# Altium PCB choco_keyboard_left.PcbDoc (part 2 of 2)
Units mm, origin at the board's own origin, x right, y up, seen from the top; angles counter-clockwise.
Board outline 148.18 x 100.99 mm, 2 copper layers (Top Layer, Bottom Layer), stack 1.071 mm thick; 108 components, 93 nets, 495 pads, 582 vias.
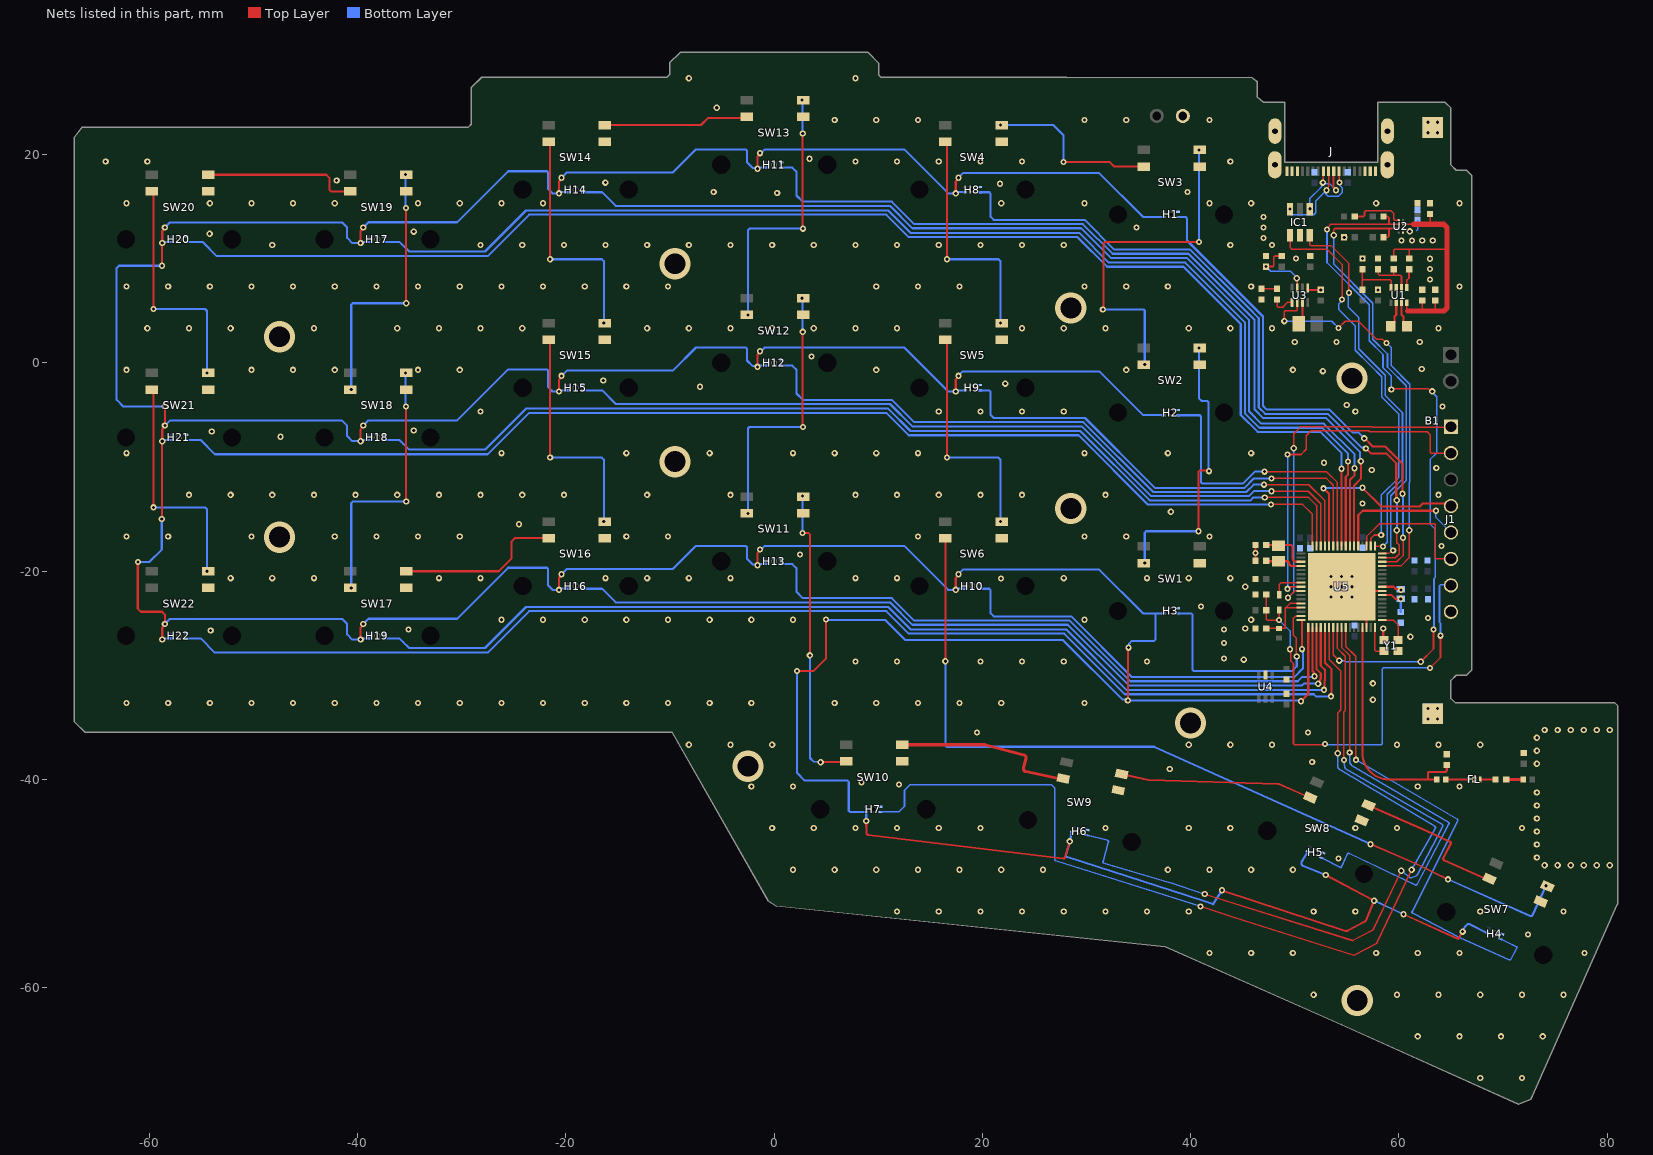
[diagram p2: the nets of this part, all layers, seen from the top]

## Via types
v1: diameter 0.6, hole 0.3, Top Layer to Bottom Layer, tented both sides, 572 vias
v2: diameter 3, hole 2, Top Layer to Bottom Layer, 10 vias

## Nets (pads, with @x,y where several pads share a name; then routed paths per layer and width w, separated by ;. In a path a pad name is that pad's centre, name@x,y a point inside that pad or via, vN(x,y) a via of type N, cw(c..) or ccw(c..) an arc to the next point about the centre after c; other vN are vias at no path point) (continued)
GND: B1.2 C1.1 C2.1 C3.1 C4.2 C5.2 C6.2 C7.1 C8.1 C9.2 C10.1 C11.1 C12.1 C13.1 C14.1 C15.1 C16.1 C17.1 C18.1 C19.1 C20.1 C21.1 C23.2 C24.1 C25.1 C26.2 FL.2 FL.2_1 H1.2 H2.2 H3.2 H4.2 H5.2 H6.2 H7.2 H8.2 H9.2 H10.2 H11.2 H12.2 H13.2 H14.2 H15.2 H16.2 H17.2 H18.2 H19.2 H20.2 H21.2 H22.2 IC1.2 J1.08 J.A1 J.A12 J.B1 J.B12 J.MID1 J.MID2 J.S1 J.S2 J.S3 J.S4 P1.2 R1.2 R2.2 R6.2 R10.1 R11.1 R13.1 R15.1 R17.1 SW1.1 SW2.1 SW3.1 SW4.1 SW5.1 SW6.1 SW7.1 SW8.1 SW9.1 SW10.1 SW11.1 SW12.1 SW13.1 SW14.1 SW15.1 SW16.1 SW17.1 SW18.1 SW19.1 SW20.1 SW21.1 SW22.1 U1.7 U2.D2 U3.1 U4.2 U5.32 U5.42 U5.69 Y1.2 | length 12.5
  Top Layer w0.15: R6.2@54.738,12.05 v1(54.75,12.05)
  Top Layer w0.2: C11.1@46.238,-19 v1(46.238,-18.25) C10.1@46.238,-17.5 ; U3.1@51.25,7.185 51.25,7.015 51.265,7 v1(52.5,7) ; v1(54.5,-21.5) U5.69@54.9,-21.9 ; U5.32@56.9,-25.4 56.9,-23.9 v1(55.5,-22.5) U5.69@54.9,-21.9 ; U5.42@58.4,-21.9 U5.69@54.9,-21.9 ; v1(58.5,-25.5) 58.5,-26.55 Y1.2@58.575,-26.625
  other v1: 67.817,-68.675 71.817,-68.675 61.817,-64.675 65.817,-64.675 69.817,-64.675 73.817,-64.675 51.817,-60.675 59.817,-60.675 63.817,-60.675 67.817,-60.675 71.817,-60.675 75.817,-60.675 41.817,-56.675 45.817,-56.675 49.817,-56.675 57.817,-56.675 61.817,-56.675 65.817,-56.675 77.817,-56.675 72.4,-54.9 11.817,-52.675 15.817,-52.675 19.817,-52.675 23.817,-52.675 27.817,-52.675 31.817,-52.675 35.817,-52.675 39.817,-52.675 51.817,-52.675 55.817,-52.675 67.817,-52.675 75.817,-52.675 1.817,-48.675 5.817,-48.675 9.817,-48.675 13.817,-48.675 17.817,-48.675 21.817,-48.675 25.817,-48.675 37.817,-48.675 41.817,-48.675 45.817,-48.675 49.817,-48.675 74,-48.25 75.25,-48.25 76.5,-48.25 77.75,-48.25 79,-48.25 80.25,-48.25 54.2,-47.6 73.25,-47.5 73.25,-46.25 73.25,-45 -0.183,-44.675 3.817,-44.675 7.817,-44.675 11.817,-44.675 15.817,-44.675 19.817,-44.675 31.817,-44.675 39.817,-44.675 43.817,-44.675 51.817,-44.675 55.817,-44.675 59.817,-44.675 71.817,-44.675 73.25,-43.75 73.25,-42.5 73.25,-41.25 -2.183,-40.675 1.817,-40.675 61.817,-40.675 65.817,-40.675 12,-40.5 8.4,-40.3 38,-39 73.25,-38.5 51.675,-38.325 73.25,-37.25 -8.183,-36.675 -4.183,-36.675 -0.183,-36.675 39.817,-36.675 43.817,-36.675 47.817,-36.675 59.817,-36.675 63.817,-36.675 67.817,-36.675 73.25,-36 19.5,-35.5 51.275,-35.5 74,-35.25 75.25,-35.25 76.5,-35.25 77.75,-35.25 79,-35.25 80.25,-35.25 62.8,-34.2 63.7,-34.2 62.8,-33.2 63.7,-33.2 -62.183,-32.675 -58.183,-32.675 -54.183,-32.675 -50.183,-32.675 -46.183,-32.675 -42.183,-32.675 -38.183,-32.675 -34.183,-32.675 -30.183,-32.675 -26.183,-32.675 -22.183,-32.675 -18.183,-32.675 -14.183,-32.675 -10.183,-32.675 -6.183,-32.675 -2.183,-32.675 5.817,-32.675 9.817,-32.675 13.817,-32.675 17.817,-32.675 21.817,-32.675 29.817,-32.675 57.5,-32.35 57.5,-30.775 7.817,-28.675 11.817,-28.675 19.817,-28.675 23.817,-28.675 27.817,-28.675 35.817,-28.675 45.1,-28.5 43.2,-28.4 43.2,-26.9 61.1,-26.3 -54.1,-25.7 -35.1,-25.6 43.2,-25.6 45.25,-25.5 -26.183,-24.675 -22.183,-24.675 -18.183,-24.675 -14.183,-24.675 -10.183,-24.675 -6.183,-24.675 -2.183,-24.675 1.817,-24.675 29.817,-24.675 45.817,-24.675 62.8,-24.5 41,-23.4 53.5,-22.5 54.5,-22.5 45.25,-21.5 53.5,-21.5 55.5,-21.5 21.8,-20.7 -52.183,-20.675 -48.183,-20.675 -44.183,-20.675 -32.183,-20.675 -28.183,-20.675 -16.183,-20.675 -12.183,-20.675 -8.183,-20.675 -4.183,-20.675 7.817,-20.675 11.817,-20.675 27.817,-20.675 35.817,-20.675 39.817,-20.675 43.817,-20.675 53.5,-20.5 54.5,-20.5 55.5,-20.5 2.5,-18.4 64.1,-17.6 -62.183,-16.675 -58.183,-16.675 -50.183,-16.675 -42.183,-16.675 -38.183,-16.675 -34.183,-16.675 -30.183,-16.675 -14.183,-16.675 -10.183,-16.675 13.817,-16.675 29.817,-16.675 33.817,-16.675 41.817,-16.675 -24.5,-15.5 38.1,-14.3 56.5,-13.5 -56.183,-12.675 -52.183,-12.675 -48.183,-12.675 -44.183,-12.675 -40.183,-12.675 -36.183,-12.675 -32.183,-12.675 -28.183,-12.675 -24.183,-12.675 -20.183,-12.675 -12.183,-12.675 -4.183,-12.675 7.817,-12.675 11.817,-12.675 15.817,-12.675 19.817,-12.675 23.817,-12.675 31.817,-12.675 63.817,-12.675 57.4,-10.3 63.6,-10.1 52.8,-9.6 -62.183,-8.675 -26.183,-8.675 -14.183,-8.675 -6.183,-8.675 1.817,-8.675 5.817,-8.675 9.817,-8.675 13.817,-8.675 29.817,-8.675 37.817,-8.675 45.817,-8.675 -47.4,-7.1 -54,-6.6 -34.6,-6.5 -28.183,-4.675 15.817,-4.675 19.817,-4.675 23.817,-4.675 27.817,-4.675 55.817,-4.675 64.2,-4.2 55,-4.05 -7.1,-2.3 22.2,-2 -16.4,-1.7 52.7,-0.8 -62.183,-0.675 -50.183,-0.675 -46.183,-0.675 -42.183,-0.675 -34.183,-0.675 -30.183,-0.675 9.817,-0.675 33.817,-0.675 49.817,-0.675 62.2,-0.6 3.6,0.6 50,2 54,2 62,2 -60.183,3.325 -56.183,3.325 -52.183,3.325 -44.183,3.325 -36.183,3.325 -32.183,3.325 -28.183,3.325 -24.183,3.325 -12.183,3.325 -8.183,3.325 -4.183,3.325 -0.183,3.325 3.817,3.325 7.817,3.325 11.817,3.325 23.817,3.325 27.817,3.325 31.817,3.325 39.817,3.325 43.817,3.325 47.817,3.325 63.817,3.325 58,7.012 -62.183,7.325 -58.183,7.325 -54.183,7.325 -50.183,7.325 -46.183,7.325 -42.183,7.325 -38.183,7.325 -34.183,7.325 -30.183,7.325 -26.183,7.325 -22.183,7.325 -18.183,7.325 -14.183,7.325 -10.183,7.325 9.817,7.325 13.817,7.325 17.817,7.325 29.817,7.325 33.817,7.325 37.817,7.325 45.817,7.325 65.817,7.325 63,8 63,9 56.5,10.012 63,10 50.125,10.025 -48.183,11.325 -28.183,11.325 -24.183,11.325 -20.183,11.325 -16.183,11.325 -12.183,11.325 -8.183,11.325 -4.183,11.325 -0.183,11.325 3.817,11.325 7.817,11.325 11.817,11.325 15.817,11.325 19.817,11.325 23.817,11.325 27.817,11.325 43.817,11.325 47.817,11.325 60.25,11.75 61.25,11.75 62.25,11.75 63.25,11.75 47,12 -54.2,12.4 -34.6,12.6 34.8,13 47,13 47,14 -62.183,15.325 -54.183,15.325 -50.183,15.325 -46.183,15.325 -42.183,15.325 -34.183,15.325 -30.183,15.325 -26.183,15.325 -22.183,15.325 21.817,15.325 29.817,15.325 41.817,15.325 45.817,15.325 57.817,15.325 65.817,15.325 0.3,16.3 -5.8,16.4 39.7,16.4 21.7,17.2 -16.2,17.3 -42,17.5 -64.183,19.325 -60.183,19.325 7.817,19.325 11.817,19.325 15.817,19.325 19.817,19.325 23.817,19.325 43.817,19.325 3.4,19.6 5.817,23.325 9.817,23.325 13.817,23.325 29.817,23.325 33.817,23.325 41.817,23.325 -5.5,24.5 -8.183,27.325 7.817,27.325
  other v2: 56,-61.237 -2.5,-38.737 40,-34.587 -47.5,-16.737 28.5,-13.987 -9.5,-9.487 55.5,-1.487 -47.5,2.513 28.5,5.263 -9.5,9.513
HALL: H1.4 H2.4 H3.4 H4.4 H5.4 H6.4 H7.4 H8.4 H9.4 H10.4 H11.4 H12.4 H13.4 H14.4 H15.4 H16.4 H17.4 H18.4 H19.4 H20.4 H21.4 H22.4 U5.18 | length 578.4
  Top Layer w0.2: v1@-61.1,-19.125 -61.1,-23.6 -60.8,-23.9 -58.775,-23.9 -58.5,-24.175 v1(-58.5,-25.075) -58.5,-25.183 -58.75,-25.433 v1(-58.75,-26.575) ; v1(-58.775,9.325) -58.762,9.338 -58.762,11.487 v1(-58.75,11.5) -58.75,12.642 -58.5,12.892 v1(-58.5,13) ; v1@-58.75,-15 -58.75,-15.05 v1(-58.8,-15) -58.775,-14.975 -58.775,-7.55 v1(-58.75,-7.525) -58.75,-6.383 -58.5,-6.133 v1(-58.5,-6.025) v1(-58.5,-4.2) v1@-58.525,-4.175 ; v1(-39.7,-26.575) -39.7,-25.433 -39.45,-25.183 v1(-39.45,-25.075) ; v1(-39.7,-7.525) -39.7,-6.383 -39.45,-6.133 v1(-39.45,-6.025) ; v1(-39.7,11.5) -39.7,12.642 -39.45,12.892 v1(-39.45,13) ; v1(-20.65,-21.8) -20.65,-20.658 -20.4,-20.408 v1(-20.4,-20.299) ; v1(-20.65,-2.75) -20.65,-1.608 -20.4,-1.358 v1(-20.4,-1.249) ; v1(-20.65,16.275) -20.65,17.417 -20.4,17.667 v1(-20.4,17.775) ; v1(-1.6,-19.437) -1.6,-18.295 -1.35,-18.045 v1(-1.35,-17.936) ; v1(-1.6,-0.387) -1.6,0.755 -1.35,1.005 v1(-1.35,1.114) ; v1(-1.6,18.638) -1.6,19.78 -1.35,20.03 v1(-1.35,20.138) ; v1(2.2,-29.6) 3.75,-29.6 5,-28.35 v1(5,-24.65) ; v1(8.85,-44) 8.872,-45.151 ; 8.872,-45.152 ccw(c9.072,-45.147) 9.049,-45.346 27.733,-47.605 ccw(c27.757,-47.406) 27.948,-47.463 v1(28.4,-45.95) ; v1(17.45,-21.8) 17.45,-20.658 17.7,-20.408 v1(17.7,-20.299) ; v1(17.45,-2.75) 17.45,-1.608 17.7,-1.358 v1(17.7,-1.249) ; v1(17.45,16.275) 17.45,17.417 17.7,17.667 v1(17.7,17.775) ; v1(33.975,-32.425) 34,-32.4 34,-27.375 v1(34.025,-27.35) ; v1(43.025,-50.65) 54.895,-54.549 ; v1(50.6,-32.5) 51.3,-31.8 U5.18@51.3,-25.4 ; v1(52.975,-49.175) v1(57.625,-51.65) 56.828,-53.558 cw(c56.643,-53.481) 56.736,-53.658 55.05,-54.536 cw(c54.957,-54.359) 54.896,-54.549 ; v1(60.45,-52.95) 65.695,-55.342 v1(66.125,-54.625)
  Bottom Layer w0.2: v1(-61.075,-19.125) -59.992,-19.125 -58.8,-17.933 v1(-58.8,-15) ; v1(-58.775,9.325) -62.9,9.325 -63.125,9.1 -63.125,-3.55 -62.475,-4.2 v1(-58.5,-4.2) ; v1@-58.638,-26.463 H22.4@-57.85,-26.463 ; v1@-58.638,-7.413 H21.4@-57.85,-7.413 ; v1@-58.638,11.612 H20.4@-57.85,11.612 ; v1(-58.5,-25.075) -58.025,-24.6 -41.475,-24.6 -41,-25.075 -41,-26.075 -40.5,-26.575 v1(-39.7,-26.575) ; v1(-58.5,-6.025) -58.025,-5.55 -41.475,-5.55 -41,-6.025 -41,-7.025 -40.5,-7.525 v1(-39.7,-7.525) ; v1(-58.5,13) -58.025,13.475 -41.475,13.475 -41,13 -41,12 -40.5,11.5 v1(-39.7,11.5) ; v1@-39.588,-26.463 H19.4@-38.8,-26.463 ; v1@-39.588,-7.413 H18.4@-38.8,-7.413 ; v1@-39.588,11.612 H17.4@-38.8,11.612 ; v1(-39.45,-25.075) -38.95,-24.575 -30.434,-24.575 -25.534,-19.675 -21.809,-19.675 -21.692,-19.792 -21.692,-21.383 -21.275,-21.8 v1(-20.65,-21.8) ; v1(-39.45,-6.025) -38.95,-5.525 -30.434,-5.525 -25.534,-0.625 -21.809,-0.625 -21.692,-0.742 -21.692,-2.333 -21.275,-2.75 v1(-20.65,-2.75) ; v1(-39.45,13) -38.95,13.5 -30.434,13.5 -25.534,18.4 -21.809,18.4 -21.692,18.283 -21.692,16.692 -21.275,16.275 v1(-20.65,16.275) ; v1@-20.538,-21.688 H16.4@-19.75,-21.688 ; v1@-20.538,-2.638 H15.4@-19.75,-2.638 ; v1@-20.538,16.387 H14.4@-19.75,16.387 ; v1(-20.4,-20.299) -19.9,-19.799 -9.725,-19.799 -7.5,-17.575 -2.717,-17.575 -2.6,-17.692 -2.6,-18.823 -2.063,-19.36 -1.677,-19.36 v1(-1.6,-19.437) ; v1(-20.4,-1.249) -19.9,-0.749 -9.725,-0.749 -7.5,1.475 -2.717,1.475 -2.6,1.358 -2.6,0.227 -2.063,-0.31 -1.677,-0.31 v1(-1.6,-0.387) ; v1(-20.4,17.775) -19.9,18.275 -9.725,18.275 -7.5,20.5 -2.717,20.5 -2.6,20.383 -2.6,19.251 -2.063,18.715 -1.677,18.715 v1(-1.6,18.638) ; v1@-1.488,-19.325 H13.4@-0.7,-19.325 ; v1@-1.488,-0.275 H12.4@-0.7,-0.275 ; v1@-1.488,18.75 H11.4@-0.7,18.75 ; v1(-1.35,-17.936) -1.242,-17.936 -0.88,-17.575 12.5,-17.575 16.725,-21.8 v1(17.45,-21.8) ; v1(-1.35,1.114) -1.242,1.114 -0.88,1.475 12.5,1.475 16.725,-2.75 v1(17.45,-2.75) ; v1(-1.35,20.138) -1.242,20.138 -0.88,20.5 12.5,20.5 16.725,16.275 v1(17.45,16.275) ; v1(2.2,-29.6) 2.2,-39.375 2.95,-40.125 7.058,-40.125 7.175,-40.242 7.175,-43.008 7.292,-43.125 H7.4@8.825,-43.125 8.85,-43.135 v1(8.85,-44) ; v1@4.95,-24.6 v1(5,-24.65) 5.05,-24.7 10.675,-24.7 12.575,-26.6 13.375,-26.6 13.4,-26.625 27.75,-26.625 33.473,-32.348 33.898,-32.348 v1(33.975,-32.425) 50.525,-32.425 v1(50.6,-32.5) ; v1@17.562,-21.688 H10.4@18.35,-21.688 ; v1@17.562,-2.638 H9.4@18.35,-2.638 ; v1@17.562,16.387 H8.4@18.35,16.387 ; v1(17.7,-20.299) 18.137,-19.863 31.222,-19.863 35.435,-24.075 36.612,-24.075 ; v1(17.7,-1.249) 18.137,-0.813 31.222,-0.813 35.435,-5.025 36.65,-5.025 ; v1(17.7,17.775) 18.137,18.212 31.222,18.212 35.435,13.999 H1.4@37.4,13.999 ; 28.029,-47.214 ccw(c28.222,-47.27) 28.161,-47.46 41.134,-51.629 cw(c40.95,-52.2) 41.15,-51.634 42.146,-51.987 v1(43.025,-50.65) ; 28.03,-47.213 v1(28.4,-45.95) 28.588,-45.063 H6.4@28.618,-45.059 ; v1(34.025,-27.35) 34.102,-27.273 34.102,-26.963 34.365,-26.7 36.495,-26.7 36.612,-26.583 36.612,-24.075 ; 36.612,-5.025 H2.4@37.4,-5.025 ; H3.4@37.4,-24.075 36.612,-24.075 ; H5.4@51.259,-46.944 51.253,-46.952 50.681,-47.85 ccw(c50.956,-48.028) 50.837,-48.332 v1(52.975,-49.175) ; v1(57.625,-51.65) v1(60.45,-52.95) ; v1(66.125,-54.625) 66.401,-54.089 66.513,-53.972 cw(c66.678,-54.086) 66.765,-53.906 68.372,-54.694 H4.4@68.459,-54.744
HALL_EN_1: H1.3 U5.49 | length 48.7
  Top Layer w0.15: U5.49@58.4,-19.1 59.8,-19.1 60.4,-18.5 v1(60.4,-16.8)
  Top Layer w0.2: v1(56.675,-7.25) 56.705,-7.25 57.49,-8.034 58.7,-8.034 60.35,-9.684 v1(60.35,-12.575)
  Bottom Layer w0.2: H1.3@38.8,13.999 38.806,13.994 39.533,13.994 39.65,13.876 39.65,11.75 46.95,4.45 46.95,-4.125 47.325,-4.5 53.35,-4.5 55.557,-6.707 56.132,-6.707 v1(56.675,-7.25) ; v1(60.35,-12.575) 60.4,-12.625 v1(60.4,-16.8)
HALL_EN_2: H2.3 U5.61 | length 28.7
  Top Layer w0.15: v1(47.1,-10.45) 53.05,-10.45 54.1,-11.5 U5.61@54.1,-17.6
  Bottom Layer w0.2: H2.3@38.8,-5.025 38.806,-5.031 40.883,-5.031 41,-5.148 41,-11.483 41.117,-11.6 45.025,-11.6 46.175,-10.45 v1(47.1,-10.45)
HALL_EN_3: H3.3 U5.16 | length 22.6
  Top Layer w0.15: v1(50.197,-28.2) 50.125,-28.128 50.125,-26.407 49.85,-26.132 49.85,-24.536 50.061,-24.325 50.575,-24.325 U5.16@50.6,-24.3
  Bottom Layer w0.2: H3.3@38.8,-24.075 38.806,-24.081 40.083,-24.081 40.2,-24.198 40.2,-29.483 40.317,-29.6 49.733,-29.6 50.197,-29.136 v1(50.197,-28.2)
HALL_EN_4: H4.3 U5.27 | length 48.2
  Top Layer w0.15: U5.27@54.9,-25.4 54.9,-27.23 55.85,-28.18 55.85,-38.1 v1(55.875,-38.125)
  Bottom Layer w0.15: v1(55.875,-38.125) 65.593,-43.806 cw(c65.524,-43.939) 65.658,-44.007 61.269,-52.665 ccw(c61.402,-52.732) 61.335,-52.867 ; 61.336,-52.867 65.887,-55.2 70.567,-57.323 70.691,-57.323 70.719,-57.322 71.375,-56.1 70.216,-55.538 69.848,-55.359 H4.3@69.738,-55.313
HALL_EN_5: H5.3 U5.26 | length 42.2
  Top Layer w0.15: U5.26@54.5,-25.4 54.5,-27.325 55.275,-28.1 v1(55.275,-37.42)
  Bottom Layer w0.15: H5.3@52.538,-47.513 52.643,-47.573 ccw(c52.717,-47.442) 52.65,-47.577 54.45,-48.475 55.037,-47.189 cw(c55.173,-47.251) 55.238,-47.116 61.545,-50.138 ccw(c61.61,-50.003) 61.743,-50.073 64.806,-44.304 ccw(c64.674,-44.234) 64.746,-44.102 55.52,-38.709 55.336,-38.492 cw(c55.45,-38.395) 55.3,-38.395 55.3,-38.15 ccw(c54.725,-38.15) 55.3,-38.13 v1(55.275,-37.42)
HALL_EN_6: H6.3 U5.25 | length 69.9
  Top Layer w0.15: v1(41.363,-51.013) 55.548,-55.471 57.561,-54.421 v1(60.225,-48.775) ; U5.25@54.1,-25.4 54.1,-27.42 54.85,-28.17 54.85,-33.385 54.7,-33.535 54.7,-37.939 54.725,-37.964 v1(54.725,-38.15)
  Bottom Layer w0.15: H6.3@29.987,-45.35 30.108,-45.378 cw(c30.075,-45.524) 30.11,-45.378 31.875,-45.8 32.019,-45.852 ; 32.019,-45.853 cw(c31.967,-45.993) 32.112,-46.034 31.591,-47.857 ccw(c31.735,-47.898) 31.693,-48.042 38.198,-49.974 cw(c38.155,-50.118) 38.202,-49.976 v1(41.363,-51.013) ; v1(54.725,-38.15) 54.815,-38.851 ccw(c54.964,-38.832) 54.888,-38.962 ; 54.889,-38.962 64.15,-44.328 cw(c64.075,-44.457) 64.208,-44.528 61.75,-49.177 cw(c61.618,-49.107) 61.675,-49.246 61.206,-49.441 cw(c61.148,-49.303) 61.056,-49.422 ; v1(60.225,-48.775) 61.056,-49.421
HALL_EN_7: H7.3 U5.23 | length 95.9
  Top Layer w0.15: v1(40.95,-52.2) 44.11,-53.237 ccw(c44.157,-53.095) 44.114,-53.239 ; 44.115,-53.239 55.672,-56.871 57.884,-55.717 v1(61.225,-48.675) ; U5.23@53.3,-25.4 53.3,-28.475 54.425,-29.6 54.425,-33.315 54.15,-33.59 54.15,-37.465 v1(54.125,-37.49)
  Bottom Layer w0.15: H7.3@10.225,-43.125 11.975,-43.125 12.525,-42.575 12.525,-41.05 13.05,-40.525 26.65,-40.525 26.95,-40.825 26.95,-47.69 ccw(c27.1,-47.69) 27.054,-47.833 v1(40.95,-52.2) ; v1(54.125,-37.49) 54.149,-38.867 ccw(c54.299,-38.864) 54.221,-38.992 63.448,-44.499 cw(c63.372,-44.628) 63.502,-44.703 v1(61.225,-48.675)
HALL_EN_8: H8.3 U5.50 | length 67.7
  Top Layer w0.15: U5.50@58.4,-18.7 58.425,-18.725 59.65,-18.725 60.025,-18.35 60.025,-17.498 59.8,-17.273 v1(59.8,-16.075)
  Top Layer w0.2: v1(56.829,-8.222) 57.307,-8.7 58.8,-8.7 59.75,-9.65 59.75,-13.15 v1(59.8,-13.2)
  Bottom Layer w0.2: H8.3@19.75,16.387 19.756,16.381 20.669,16.381 20.8,16.25 20.8,14.017 21.092,13.725 29.825,13.725 32.675,10.875 39.959,10.875 45.525,5.309 46.543,4.291 46.543,-4.293 47.157,-4.907 53.182,-4.907 56.421,-8.146 56.753,-8.146 v1(56.829,-8.222) ; v1(59.8,-16.075) v1(59.8,-13.2)
HALL_EN_9: H9.3 U5.62 | length 45.6
  Top Layer w0.15: v1(47.775,-11.1) 53.05,-11.1 53.7,-11.75 U5.62@53.7,-17.6
  Bottom Layer w0.2: H9.3@19.75,-2.638 19.756,-2.643 20.669,-2.643 20.8,-2.775 20.8,-5.007 21.092,-5.3 29.862,-5.3 36.563,-12 45.191,-12 46.091,-11.1 v1(47.775,-11.1)
HALL_EN_10: H10.3 U5.17 | length 41
  Top Layer w0.15: U5.17@50.6,-24.7 50.675,-24.7 50.7,-24.725 v1(50.7,-27.496)
  Bottom Layer w0.2: H10.3@19.75,-21.688 19.756,-21.693 20.669,-21.693 20.8,-21.825 20.8,-24.057 21.092,-24.35 28.55,-24.35 34.375,-30.175 49.95,-30.175 50.797,-29.328 50.797,-27.879 50.777,-27.859 50.777,-27.573 v1(50.7,-27.496)
HALL_EN_11: H11.3 U5.57 | length 82.6
  Top Layer w0.2: U5.57@55.7,-17.6 55.7,-11.775 56.35,-11.125 v1(56.35,-9.45)
  Bottom Layer w0.2: H11.3@0.7,18.75 1.75,18.75 2.15,18.35 2.15,16.075 2.75,15.475 11.3,15.475 13.45,13.325 29.659,13.325 32.509,10.475 39.794,10.475 46.137,4.132 46.137,-4.462 46.988,-5.313 53.013,-5.313 56.273,-8.573 56.273,-9.373 v1(56.35,-9.45)
HALL_EN_12: H12.3 U5.64 | length 63.8
  Top Layer w0.15: v1(47.05,-11.7) 51.35,-11.7 52.9,-13.25 U5.64@52.9,-17.6
  Bottom Layer w0.2: H12.3@0.7,-0.275 1.75,-0.275 2.15,-0.675 2.15,-2.95 2.75,-3.55 11.3,-3.55 13.45,-5.7 29.697,-5.7 36.397,-12.4 45.356,-12.4 46.056,-11.7 v1(47.05,-11.7)
HALL_EN_13: H13.3 U5.19 | length 62.2
  Top Layer w0.2: U5.19@51.7,-25.4 51.7,-29.591 51.823,-29.714 51.823,-30.023 v1(51.9,-30.1)
  Bottom Layer w0.2: H13.3@0.7,-19.325 1.75,-19.325 2.15,-19.725 2.15,-22 2.75,-22.6 11.3,-22.6 13.45,-24.75 28.384,-24.75 34.209,-30.575 50.3,-30.575 50.725,-30.15 51.85,-30.15 v1(51.9,-30.1)
HALL_EN_14: H14.3 U5.58 | length 98.7
  Top Layer w0.2: U5.58@55.3,-17.6 55.3,-11.25 55.75,-10.8 v1(55.75,-10.125)
  Bottom Layer w0.2: H14.3@-18.35,16.387 -18.344,16.381 -16.506,16.381 -15.2,15.075 11.134,15.075 13.284,12.925 29.494,12.925 32.344,10.075 39.628,10.075 45.618,4.085 45.618,-4.677 46.773,-5.832 52.798,-5.832 55.75,-8.784 v1(55.75,-10.125)
HALL_EN_15: H15.3 U5.65 | length 79.8
  Top Layer w0.15: v1(47.775,-12.325) 51.3,-12.325 52.5,-13.525 U5.65@52.5,-17.6
  Bottom Layer w0.2: H15.3@-18.35,-2.638 -18.344,-2.643 -16.506,-2.643 -15.2,-3.95 11.134,-3.95 13.284,-6.1 29.531,-6.1 36.231,-12.8 45.6,-12.8 46.1,-12.3 47.75,-12.3 v1(47.775,-12.325)
HALL_EN_16: H16.3 U5.20 | length 80.2
  Top Layer w0.2: U5.20@52.1,-25.4 52.1,-29.425 52.5,-29.825 52.5,-30.349 52.45,-30.399 52.45,-30.51 52.247,-30.713 v1(52.247,-30.821)
  Bottom Layer w0.2: H16.3@-18.35,-21.688 -18.344,-21.693 -16.506,-21.693 -15.2,-23 11.134,-23 13.284,-25.15 28.218,-25.15 34.044,-30.975 50.7,-30.975 50.9,-30.775 52.201,-30.775 v1(52.247,-30.821)
HALL_EN_17: H17.3 U5.59 | length 118.3
  Top Layer w0.2: U5.59@54.9,-17.6 54.9,-10.95 55.125,-10.725 v1(55.125,-9.475)
  Bottom Layer w0.2: H17.3@-37.4,11.612 -35.987,11.612 -35.625,11.25 -35.6,11.25 -35.037,10.687 -27.763,10.687 -23.825,14.625 10.948,14.625 13.098,12.475 29.307,12.475 32.157,9.625 39.482,9.625 45.218,3.89 45.218,-4.843 46.607,-6.232 52.632,-6.232 55.125,-8.725 v1(55.125,-9.475)
HALL_EN_18: H18.3 U5.66 | length 99.5
  Top Layer w0.15: v1(47.125,-12.925) 51.325,-12.925 52.1,-13.7 U5.66@52.1,-17.6
  Bottom Layer w0.2: H18.3@-37.4,-7.413 -35.987,-7.413 -35.625,-7.775 -35.6,-7.775 -35.037,-8.338 -27.763,-8.338 -23.825,-4.4 10.948,-4.4 13.098,-6.55 29.415,-6.55 36.066,-13.2 45.766,-13.2 46.041,-12.925 v1(47.125,-12.925)
HALL_EN_19: H19.3 U5.21 | length 101.7
  Top Layer w0.2: U5.21@52.5,-25.4 52.5,-29.075 52.9,-29.475 52.9,-30.514 52.85,-30.564 52.85,-31.363 v1(52.813,-31.4)
  Bottom Layer w0.2: H19.3@-37.4,-26.463 -35.987,-26.463 -35.625,-26.825 -35.6,-26.825 -35.037,-27.388 -27.763,-27.388 -23.825,-23.45 10.948,-23.45 13.098,-25.6 28.032,-25.6 33.857,-31.425 v1@52.813,-31.425
HALL_EN_20: H20.3 U5.60 | length 136.7
  Top Layer w0.2: U5.60@54.5,-17.6 v1(54.5,-10.175)
  Bottom Layer w0.2: H20.3@-56.45,11.612 -54.887,11.612 -53.525,10.25 -27.5,10.25 -23.525,14.225 10.782,14.225 12.932,12.075 29.142,12.075 31.992,9.225 39.317,9.225 44.816,3.726 44.816,-5.009 46.441,-6.634 52.466,-6.634 54.5,-8.668 v1(54.5,-10.175)
HALL_EN_21: H21.3 U5.67 | length 117.4
  Top Layer w0.15: v1(47.725,-13.6) 50.75,-13.6 51.7,-14.55 U5.67@51.7,-17.6
  Bottom Layer w0.2: H21.3@-56.45,-7.413 -55.062,-7.413 -53.7,-8.775 -27.5,-8.775 -23.525,-4.8 10.782,-4.8 12.932,-6.95 29.25,-6.95 35.9,-13.6 v1(47.725,-13.6)
HALL_EN_22: H22.3 U5.22 | length 122.4
  Top Layer w0.2: U5.22@52.9,-25.4 52.9,-28.775 53.55,-29.425 53.55,-31.95 v1(53.475,-32.025)
  Bottom Layer w0.2: H22.3@-56.45,-26.463 -55.062,-26.463 -53.7,-27.825 -27.5,-27.825 -23.525,-23.85 10.782,-23.85 12.932,-26 27.866,-26 33.692,-31.825 51.825,-31.825 52.025,-32.025 v1(53.475,-32.025)
LPUART_RX: J1.02 U5.9 | length 33.6
  Top Layer w0.15: v1(49.3,-21.7) 49.422,-21.7 49.622,-21.5 U5.9@50.6,-21.5 ; v1(49.3,-8.8) 50.6,-8.8 51.1,-8.3 51.1,-7 51.594,-6.506 57.1,-6.506 57.213,-6.619 62.719,-6.619 63,-6.9 63,-8.582 63.088,-8.67 J1.02@65,-8.67
  Bottom Layer w0.15: v1(49.3,-21.7) 49.334,-21.666 v1@49.334,-8.8
LPUART_TX: J1.01 U5.10 | length 32.9
  Top Layer w0.15: v1(49.348,-22.557) 50.005,-21.9 U5.10@50.6,-21.9 ; v1(49.9,-8.2) 49.9,-6.8 50.544,-6.156 57.445,-6.156 57.489,-6.2 64.93,-6.2 J1.01@65,-6.13
  Bottom Layer w0.15: v1(49.348,-22.557) 49.9,-22.005 v1(49.9,-8.2)
NetC10_2: C10.2 U5.3 Y2.2 | length 4.8
  Top Layer w0.2: C10.2@47.262,-17.5 48.4,-17.5 cw(c48.4,-17.55) Y2.2@48.45,-17.55 cw(c48.5,-17.55) 48.5,-17.5 49.6,-17.5 cw(c49.6,-17.7) 49.8,-17.7 49.8,-18.8 ccw(c50.1,-18.8) 50.1,-19.1 U5.3@50.6,-19.1
NetC11_2: C11.2 U5.4 Y2.1 | length 3.6
  Top Layer w0.2: C11.2@47.262,-19 ccw(c47.312,-19) 47.312,-19.05 Y2.1@48.45,-19.05 49.3,-19.05 49.342,-19.071 cw(c49.253,-19.25) 49.451,-19.23 ccw(c49.75,-19.2) 49.75,-19.5 U5.4@50.6,-19.5
NetC14_2: C14.2 FB1.2 U5.13 U5.14 | length 6.9
  Top Layer w0.15: C14.2@47.262,-25.5 FB1.2@48.5,-25.5 49.05,-25.5 49.075,-25.475 49.075,-23.563 49.138,-23.5 ; U5.14@50.6,-23.5 49.138,-23.5 ; U5.13@50.6,-23.1 49.538,-23.1 49.138,-23.5
NetC21_2: C21.2 L3.1 U5.41 | length 3.2
  Top Layer w0.2: U5.41@58.4,-22.3 59.3,-22.3 59.66,-22.66 v1(60.18,-22.66)
  Bottom Layer w0.2: C21.2@60.18,-23.938 v1(60.18,-22.66)
NetC22_1: C22.1 FL.3 | length 1.5
  Top Layer w0.2: FL.3@67.8,-40 C22.1@69.288,-40
NetC22_2: C22.2 L5.1 | length 1.6
  Top Layer w0.3: C22.2@70.312,-40 L5.1@71.936,-40
NetFL_1: FL.1 L4.2 | length 2.2
  Top Layer w0.2: L4.2@64.5,-40 FL.1@66.69,-40
NetL1_1: L1.1 U1.3 | length 2.5
  Top Layer w0.2: U1.3@60.25,5.765 60.25,4.625 60.425,4.45 60.425,3.865 L1.1@60.79,3.5
NetL1_2: L1.2 U1.2 | length 2.5
  Top Layer w0.2: L1.2@59.2,3.51 59.58,3.89 59.58,4.446 59.75,4.616 U1.2@59.75,5.765
  Top Layer w0.3: L1.2@59.2,3.51 L1.2@59.21,3.5
NetL2_1: L2.1 U3.7 | length 1.7
  Top Layer w0.15: L2.1@50.61,4.25 50.7,4.25 L2.1@50.86,4.41
  Top Layer w0.2: L2.1@50.75,4.41 U3.7@50.75,5.815
NetL3_2: L3.2 U5.43 | length 1.9
  Top Layer w0.2: U5.43@58.4,-21.5 59.5,-21.5 59.723,-21.723 60.123,-21.723 v1(60.2,-21.8)
NetR5_1: R5.1 U2.A1 | length 5.4
  Top Layer w0.15: R5.1@55.762,14.05 56.612,14.05 56.7,14.138 56.7,14.5 56.825,14.625 59.225,14.625 59.5,14.35 59.5,13.788 59.588,13.7 U2.A1@60,13.7
NetR7_2: R7.2 R10.2 U1.6 | length 4.4
  Top Layer w0.15: R10.2@58.025,8.975 58.025,8.525 58.125,8.425 59.588,8.425 ; R7.2@59.5,8.988 59.5,8.513 59.588,8.425 ; U1.6@60.25,7.235 60.25,8.3 60.125,8.425 59.588,8.425
NetR8_2: R8.2 U1.5 | length 1.9
  Top Layer w0.15: U1.5@60.75,7.235 60.75,7.925 60.975,8.15 60.975,8.925 R8.2@61.025,8.975
NetR9_2: R9.2 R11.2 U1.8 | length 5.4
  Top Layer w0.15: R9.2@56.5,7.025 56.5,7.975 ; R11.2@56.5,8.975 56.5,7.975 ; U1.8@59.25,7.235 59.25,7.887 59.162,7.975 56.5,7.975
NetR12_2: R12.2 R13.2 U3.3 | length 6.8
  Top Layer w0.15: R13.2@47.25,9.25 47.912,9.25 48,9.338 48,10.174 48.088,10.262 R12.2@48.75,10.262 ; v1(50.19,8.129) 50.22,8.099 50.22,7.215 U3.3@50.25,7.185
  Bottom Layer w0.15: v1(47.25,9.238) 47.688,8.8 49.586,8.8 50.19,8.196 v1(50.19,8.129)
NetR14_1: R14.1 U3.5 | length 2.3
  Top Layer w0.15: R14.1@48.3,6.088 48.3,5.438 48.388,5.35 48.85,5.35 49.315,5.815 U3.5@49.75,5.815
NetR14_2: R14.2 R15.2 | length 1.5
  Top Layer w0.15: R15.2@46.8,7.112 R14.2@48.3,7.112
NetSW1_4: SW1.4 SW2.2 | length 27.5
  Top Layer w0.2: v1(40.75,-16.175) 40.75,-10.467 40.867,-10.35 41.725,-10.35 v1(41.775,-10.4)
  Bottom Layer w0.2: v1(35.6,-19.225) 35.6,-16.317 35.742,-16.175 v1(40.75,-16.175) ; v1(40.8,1.425) 40.8,-3.4 41.05,-3.65 41.583,-3.65 41.7,-3.767 41.7,-10.325 v1(41.775,-10.4)
NetSW2_4: SW2.4 SW3.2 | length 33.7
  Top Layer w0.2: v1(31.575,5.125) 31.625,5.175 31.625,11.45 31.775,11.6 v1(40.8,11.6)
  Bottom Layer w0.2: v1(31.575,5.125) 35.483,5.125 35.6,5.008 v1(35.6,-0.175) ; v1(40.8,11.6) v1(40.8,20.449)
NetSW3_4: SW3.4 SW4.2 | length 17
  Top Layer w0.2: v1(27.8,19.275) 32.25,19.275 32.676,18.849 SW3.4@35.6,18.849
  Bottom Layer w0.2: v1(21.75,22.837) 26.813,22.837 27.8,21.85 v1(27.8,19.275)
NetSW4_4: SW4.4 SW5.2 | length 22.5
  Top Layer w0.2: SW4.4@16.55,21.262 16.6,21.212 v1(16.6,9.95)
  Bottom Layer w0.2: v1(16.6,9.95) 21.558,9.95 21.75,9.758 v1(21.75,3.812)
NetSW5_4: SW5.4 SW6.2 | length 22.5
  Top Layer w0.2: SW5.4@16.55,2.212 16.6,2.162 v1(16.6,-9.1)
  Bottom Layer w0.2: v1(16.6,-9.1) 21.558,-9.1 21.75,-9.292 v1(21.75,-15.238)
NetSW6_4: SW6.4 SW7.2 | length 83.1
  Top Layer w0.2: v1(16.45,-28.65) 16.45,-16.892 SW6.4@16.5,-16.842 ; v1(57.275,-46.225) 61.649,-48.1 v1(64.725,-49.6)
  Bottom Layer w0.2: v1(16.45,-28.65) 16.45,-36.749 16.567,-36.866 36.509,-36.866 36.548,-36.883 v1(57.275,-46.225) ; v1@64.694,-49.569 v1@64.725,-49.599 ; v1@64.734,-49.587 72.609,-53.136 72.734,-53.136 72.818,-53.052 v1(74.133,-50.208)
NetSW7_4: SW7.4 SW8.2 | length 15.5
  Top Layer w0.2: SW8.2@56.988,-42.434 57.533,-42.686 62.675,-44.975 64.876,-45.961 ; 64.877,-45.961 cw(c64.794,-46.143) 64.969,-46.241 64.327,-47.396 ccw(c64.502,-47.493) 64.323,-47.404 64.272,-47.507 ccw(c64.45,-47.596) 64.369,-47.779 68.178,-49.475 SW7.4@68.787,-49.581
NetSW8_4: SW8.4 SW9.2 | length 18.7
  Top Layer w0.2: SW9.2@33.284,-39.457 33.867,-39.602 35.958,-40.046 35.975,-40.05 48.412,-40.444 48.415,-40.444 48.441,-40.444 48.444,-40.444 48.499,-40.444 51.025,-41.569 51.03,-41.571 SW8.4@51.587,-41.781
NetSW9_4: SW9.4 SW10.2 | length 17.5
  Top Layer w0.3: SW10.2@12.225,-36.675 12.775,-36.675 20.236,-36.675 cw(c20.236,-36.975) 20.312,-36.685 23.979,-37.647 ; 23.981,-37.648 cw(c23.903,-37.938) 24.192,-38.019 24.001,-38.698 ; 24,-38.699 cw(c23.712,-38.616) 23.999,-38.702 23.953,-38.858 ccw(c24.24,-38.944) 24.209,-39.242 27.311,-39.902 SW9.4@27.865,-39.941
NetSW10_4: SW10.4 SW11.2 | length 29.6
  Top Layer w0.2: v1@2.7,-16.375 v1(2.725,-16.35) 3.32,-16.35 3.438,-16.467 v1(3.438,-28.088) ; v1(4.475,-38.35) 6.425,-38.35 SW10.4@7.025,-38.275
  Bottom Layer w0.2: v1(2.725,-16.35) v1(2.725,-12.8) ; v1(3.438,-28.088) 3.45,-28.1 3.45,-37.95 3.8,-38.3 v1(4.475,-38.35)
NetSW11_4: SW11.4 SW12.2 | length 25.9
  Top Layer w0.2: v1(2.75,2.979) 2.75,-6.137 v1(2.775,-6.162)
  Bottom Layer w0.2: v1(-2.5,-14.45) -2.5,-6.304 -2.358,-6.162 v1(2.775,-6.162) ; v1(2.7,6.2) 2.725,6.175 2.725,3.004 v1(2.75,2.979)
NetSW12_4: SW12.4 SW13.2 | length 25.9
  Top Layer w0.2: v1(2.75,22.029) 2.75,12.913 v1(2.775,12.888)
  Bottom Layer w0.2: v1(-2.5,4.6) -2.5,12.746 -2.358,12.888 v1(2.775,12.888) ; v1(2.7,25.25) 2.725,25.225 2.725,22.054 v1(2.75,22.029)
NetSW13_4: SW13.4 SW14.2 | length 14.2
  Top Layer w0.2: SW14.2@-16.35,22.837 -7.013,22.837 -6.325,23.525 -2.587,23.525 SW13.4@-2.5,23.612
NetSW14_4: SW14.4 SW15.2 | length 22.5
  Top Layer w0.2: SW14.4@-21.55,21.262 -21.5,21.212 v1(-21.5,9.95)
  Bottom Layer w0.2: v1(-21.5,9.95) -16.542,9.95 -16.35,9.758 v1(-16.35,3.812)
NetSW15_4: SW15.4 SW16.2 | length 22.5
  Top Layer w0.2: SW15.4@-21.55,2.212 -21.5,2.162 v1(-21.5,-9.1)
  Bottom Layer w0.2: v1(-21.5,-9.1) -16.542,-9.1 -16.35,-9.292 v1(-16.35,-15.238)
NetSW16_4: SW16.4 SW17.2 | length 16.1
  Top Layer w0.2: SW17.2@-35.4,-20.013 -26.438,-20.013 -25.2,-18.775 -25.2,-17.15 -24.888,-16.838 SW16.4@-21.55,-16.838
NetSW17_4: SW17.4 SW18.2 | length 25.9
  Top Layer w0.2: v1(-35.35,-4.184) -35.35,-13.3 v1(-35.325,-13.325)
  Bottom Layer w0.2: v1(-40.6,-21.613) -40.6,-13.467 -40.458,-13.325 v1(-35.325,-13.325) ; v1(-35.4,-0.963) -35.375,-0.988 -35.375,-4.159 v1(-35.35,-4.184)
NetSW18_4: SW18.4 SW19.2 | length 25.9
  Top Layer w0.2: v1(-35.35,14.866) -35.35,5.75 v1(-35.325,5.725)
  Bottom Layer w0.2: v1(-40.6,-2.563) -40.6,5.583 -40.458,5.725 v1(-35.325,5.725) ; v1(-35.4,18.087) -35.375,18.062 -35.375,14.891 v1(-35.35,14.866)
NetSW19_4: SW19.4 SW20.2 | length 15.2
  Top Layer w0.2: SW20.2@-54.45,18.062 -43.002,18.062 -42.675,17.734 -42.675,16.579 -42.558,16.462 SW19.4@-40.6,16.462
NetSW20_4: SW20.4 SW21.2 | length 22.5
  Top Layer w0.2: SW20.4@-59.65,16.487 -59.6,16.437 v1(-59.6,5.175)
  Bottom Layer w0.2: v1(-59.6,5.175) -54.642,5.175 -54.45,4.983 v1(-54.45,-0.963)
NetSW21_4: SW21.4 SW22.2 | length 22.5
  Top Layer w0.2: SW21.4@-59.65,-2.563 -59.6,-2.613 v1(-59.6,-13.875)
  Bottom Layer w0.2: v1(-59.6,-13.875) -54.642,-13.875 -54.45,-14.067 v1(-54.45,-20.013)
NetU5_34: U5.34 Y1.1 | length 3.1
  Top Layer w0.15: U5.34@57.7,-25.4 57.7,-27.587 57.788,-27.675 Y1.1@58.575,-27.675
NetU5_35: U5.35 Y1.3 | length 3.2
  Top Layer w0.15: U5.35@58.4,-24.7 59.45,-24.7 59.925,-25.175 Y1.3@59.925,-26.625
NRST: C9.1 D1.1 J1.07 R16.1 | length 47.1
  Top Layer w0.15: C9.1@47.262,-22.25 R16.1@47.262,-23.75 47.262,-24.612 47.35,-24.7 v1(48.5,-24.7) D1.1@48.5,-23.725 ; v1(49.55,-27.5) 49.6,-27.55 49.6,-28.6 49.882,-28.882 49.882,-36.569 49.988,-36.675 52.825,-36.675 v1(52.9,-36.6) ; v1(63,-29.3) 64,-28.3 v1(64,-26.2)
  Bottom Layer w0.15: v1(48.5,-24.7) 49.55,-25.75 v1(49.55,-27.5) ; v1(52.9,-36.6) 52.975,-36.675 58.312,-36.675 58.4,-36.587 58.4,-29.388 58.488,-29.3 v1(63,-29.3) ; v1(64,-26.2) 64,-25 63.9,-24.9 63.9,-21.388 63.988,-21.3 64.93,-21.3 J1.07@65,-21.37
NRST_PIN: D1.2 U5.8 | length 3.1
  Top Layer w0.15: D1.2@48.5,-22.275 48.5,-21.4 cw(c48.8,-21.4) 48.8,-21.1 U5.8@50.6,-21.1
RF: C24.2 L4.1 U5.31 | length 23.7
  Top Layer w0.2: U5.31@56.5,-25.4 56.5,-37.46 ccw(c59.04,-37.46) 59.04,-40 62.8,-40 ; L4.1@63.636,-40 62.8,-40 ; C24.2@64.6,-38.612 64.6,-39.1 cw(c64.4,-39.1) 64.4,-39.3 62.9,-39.3 ccw(c62.9,-39.4) 62.8,-39.4 62.8,-40
SCL: R3.1 U2.B1 U5.24 | length 69.3
  Top Layer w0.15: v1(53.1,12.8) 53.1,12.922 53.342,13.164 53.342,13.194 53.449,13.3 59.05,13.3 ; U5.24@53.7,-25.4 53.7,-28.025 v1(54.275,-28.6) ; R3.1@58.512,14.05 58.95,14.05 59.05,13.95 59.05,13.3 ; v1(59.275,-2.561) 59.336,-2.5 62.841,-2.5 63.078,-2.736 v1(63.199,-2.736) ; U2.B1@60,13.3 59.05,13.3 ; v1(62.1,-28.7) 63.325,-27.475 v1(63.325,-25.6)
  Bottom Layer w0.15: v1(53.1,12.8) 53.1,9.638 57.15,5.588 57.15,2.114 58.475,0.789 58.475,-0.465 59.275,-1.265 v1(59.275,-2.561) ; v1(54.275,-28.6) 54.3,-28.625 54.8,-28.625 54.875,-28.7 v1(62.1,-28.7) 62.4,-28.7 ; v1(63.199,-2.736) 63.199,-2.833 63.625,-3.259 63.625,-8.654 63,-9.279 63,-15.487 63.475,-15.962 63.475,-20.645 63.375,-20.745 63.375,-25.5 63.475,-25.6 v1(63.325,-25.6)
SDA: R4.1 U2.C1 U5.51 | length 43.2
  Top Layer w0.15: v1(53.75,12.25) 53.75,12.812 53.838,12.9 59.05,12.9 59.05,12.138 58.962,12.05 R4.1@58.512,12.05 ; U5.51@58.4,-18.3 59.053,-18.3 59.328,-18.025 v1(59.45,-18.025) ; 59.1,12.9 U2.C1@60,12.9
  Bottom Layer w0.15: v1(53.75,12.25) 53.75,9.483 57.5,5.733 57.5,2.259 58.907,0.853 58.907,-0.402 60.7,-2.195 60.7,-11.295 59.225,-12.77 59.225,-17.712 59.45,-17.937 v1(59.45,-18.025)
STOP: U3.6 U5.48 | length 38.7
  Top Layer w0.15: v1(49,4) 49,4.912 49.088,5 50.162,5 50.25,5.088 U3.6@50.25,5.815 ; v1(54.2,3.35) 54.85,4 56.124,4 57.853,2.272 58.432,2.272 58.795,1.909 v1(58.812,1.909) ; U5.48@58.4,-19.5 60.2,-19.5 61,-18.7 v1(61,-16.075)
  Bottom Layer w0.15: v1(49,4) 53.55,4 v1(54.2,3.35) ; v1(58.812,1.909) 59.257,1.465 59.257,-0.257 61.05,-2.05 61.05,-11.44 61,-11.49 v1(61,-16.075)
SWCLK: J1.05 U5.56 | length 13.4
  Top Layer w0.2: U5.56@56.1,-17.6 56.1,-14.617 56.517,-14.2 v1(63.575,-14.2)
  Bottom Layer w0.15: v1(63.575,-14.2) 63.525,-14.25 63.525,-14.815 J1.05@65,-16.29
SWDIO: J1.06 U5.54 | length 12.8
  Top Layer w0.15: U5.54@56.9,-17.6 56.9,-16.688 58.138,-15.45 63.412,-15.45 63.5,-15.538 63.5,-18.742 63.588,-18.83 J1.06@65,-18.83
SWO: J1.04 U5.63 | length 19
  Top Layer w0.2: v1(52.75,-12.05) 53.3,-12.6 U5.63@53.3,-17.6 ; v1(56.5,-12) 58.3,-13.8 62,-13.8 62.274,-13.526 64.776,-13.526 J1.04@65,-13.75
  Bottom Layer w0.2: v1(52.75,-12.05) 52.775,-12.025 56.475,-12.025 v1(56.5,-12)
USB_DM: IC1.3 U5.52 | length 36.3
  Top Layer w0.15: IC1.3@51.45,12.25 51.45,11.351 51.538,11.263 53.487,11.263 55.2,9.55 v1(55.2,6.725) ; U5.52@57.7,-17.6 58.45,-17.6 v1(58.475,-17.625)
  Bottom Layer w0.15: v1(55.2,6.725) 55.121,6.646 55.121,5.379 56.15,4.35 56.15,1.365 57.165,0.35 58.7,-1.185 58.7,-3.135 60.35,-4.785 60.35,-11.15 58.875,-12.625 58.875,-17.225 v1(58.475,-17.625)
USB_DM_OUT: IC1.4 J.A7 J.B7 | length 7.6
  Top Layer w0.15: v1(52.7,17.3) 52.725,17.325 52.725,18.375 J.A7@52.75,18.4 ; J.B7@53.75,18.4 53.725,18.375 53.725,16.95 53.725,16.885 53.972,16.638 v1(53.972,16.575)
  Bottom Layer w0.15: v1(51.45,14.8) 51.45,15.775 52.475,16.8 52.475,16.813 52.614,16.952 52.614,17.214 v1(52.7,17.3) 52.786,17.214 53.333,17.214 v1(53.972,16.575)
USB_DP: IC1.1 U5.53 | length 37.9
  Top Layer w0.15: IC1.1@49.55,12.25 49.55,11.088 49.724,10.913 53.087,10.913 54.546,9.454 v1(54.546,6.075) ; U5.53@57.3,-17.6 57.3,-16.875 57.641,-16.534 v1(58.3,-16.534)
  Bottom Layer w0.15: v1(54.546,6.075) 54.546,5.974 54.225,5.653 54.225,5.12 55.8,3.545 55.8,1.22 57.231,-0.211 58.35,-1.33 58.35,-3.28 60,-4.93 60,-11 58.3,-12.7 v1(58.3,-16.534)
USB_DP_OUT: IC1.6 J.A6 J.B6 | length 11.8
  Top Layer w0.15: v1(53.05,16.575) 53.05,16.697 53.275,16.922 53.275,18.375 J.B6@53.25,18.4 ; J.A6@54.25,18.4 54.275,18.375 54.275,17.338 v1(54.3,17.313)
  Bottom Layer w0.15: v1(49.55,14.775) 49.55,14.313 49.638,14.225 51.837,14.225 52.025,14.413 52.025,15.55 v1@53,16.525 ; v1(53.05,16.575) v1@53,16.525 ; v1(54.3,17.313) 54.386,17.227 54.386,16.974 54.547,16.813 54.547,16.337 54.21,16 53.2,16 53,16.2 v1@53,16.525
VCC_BAT: B1.1 C3.2 U2.C2 | length 1.8
  Top Layer w0.15: U2.C2@60.4,12.9 60.41,12.89 60.663,12.89 60.928,12.625 v1(61.05,12.625)
  Bottom Layer w0.15: 61.7,12.7 61.8,12.8 C3.2@61.8,13.688
  other v1: 62.8,22.1 63.7,22.1 62.8,23.1 63.7,23.1
VCC_SYS: C2.2 C4.1 C5.1 R7.1 R8.1 U1.4 U2.B2 | length 26.4
  Top Layer w0.15: R7.1@59.5,10.012 59.5,10.837 59.588,10.925 61.075,10.925 ; U2.B2@60.4,13.3 61.4,13.3 ; U1.4@60.75,5.765 60.75,5.063 60.838,4.975 60.85,4.975 ; R8.1@61,10.012 61,10.85 61.075,10.925 ; 62.25,5.05 C5.1@62.25,5.988 ; 63,13.4 C2.2@63,14.3 ; 63.5,5.15 C4.1@63.5,5.988 ; 64.6,10.925 61.075,10.925
  Top Layer w0.5: 60.85,4.975 62.25,4.975 63.5,4.975 64.332,4.975 64.625,5.268 64.625,13.007 64.332,13.3 61.4,13.3
pads on no net: H1.5 H2.5 H3.5 H4.5 H5.5 H6.5 H7.5 H8.5 H9.5 H10.5 H11.5 H12.5 H13.5 H14.5 H15.5 H16.5 H17.5 H18.5 H19.5 H20.5 H21.5 H22.5 J.A8 J.B8 SW1.5 SW2.5 SW3.5 SW4.5 SW5.5 SW6.5 SW7.5 SW8.5 SW9.5 SW10.5 SW11.5 SW12.5 SW13.5 SW14.5 SW15.5 SW16.5 SW17.5 SW18.5 SW19.5 SW20.5 SW21.5 SW22.4 SW22.5 U5.2 U5.6 U5.7 U5.11 U5.12 U5.28 U5.29 U5.36 U5.37 U5.38 U5.39 U5.40

## Polygon pours and split planes (outlines as drawn)
GND on Top Layer "GND_L01_P023" (solid, remove dead copper, pour order 23): -66.167,-35.471 -9.804,-35.471 -0.559,-51.676 0.203,-52.158 37.567,-56.07 54.458,-63.538 71.496,-71.183 72.676,-70.729 73,-70 80.977,-51.99 81,-52 81,-32.91 80.75,-32.66 65.424,-32.66 65,-32.236 65,-30.5 65.5,-30 66.5,-30 67,-29.5 67,18 66.5,18.5 65.5,18.5 65,19 65,24.462 64.43,25.032 57.95,25.032 57.95,19.241 49.05,19.241 49.05,25.032 47,25.032 46.4,25.532 46.4,27 45.9,27.4 28.092,27.42 10.28,27.42 10.033,27.667 10.033,28.791 9.042,29.807 -9.017,29.807 -10.033,28.817 -10.033,27.667 -10.28,27.42 -28.067,27.42 -29.083,26.429 -29.083,22.917 -29.355,22.645 -66.446,22.645 -67.183,21.679 -67.183,-34.48
ANT on Top Layer "L2-No Net" (solid, pour order 1): 73.95,-40.2 75.575,-40.2 75.575,-37.725 76.3,-37.725 76.3,-46.65 77.95,-46.65 77.95,-37.725 78.675,-37.725 78.675,-46.675 80.35,-46.675 80.35,-39.7 79.9,-39.7 79.9,-44.1 79.9,-46.2 79.15,-46.2 79.15,-37.275 79.1,-37.275 77.475,-37.275 77.475,-37.3 77.475,-46.175 77.1,-46.175 76.725,-46.175 76.725,-46.1 76.725,-37.275 76.7,-37.275 75.075,-37.275 75.075,-37.3 75.075,-39.8 73.925,-39.8 73.925,-40.2
GND on Bottom Layer "GND_L02_P024" (solid, remove dead copper, pour order 24): -66.167,-35.471 -9.804,-35.471 -0.559,-51.676 0.203,-52.158 37.567,-56.07 54.458,-63.538 71.496,-71.183 72.676,-70.729 73,-70 80.977,-51.99 81,-52 81,-32.91 80.75,-32.66 65.424,-32.66 65,-32.236 65,-30.5 65.5,-30 66.5,-30 67,-29.5 67,18 66.5,18.5 65.5,18.5 65,19 65,24.462 64.43,25.032 57.95,25.032 57.95,19.241 49.05,19.241 49.05,25.032 47,25.032 46.4,25.532 46.4,27 45.9,27.4 28.092,27.42 10.28,27.42 10.033,27.667 10.033,28.791 9.042,29.807 -9.017,29.807 -10.033,28.817 -10.033,27.667 -10.28,27.42 -28.067,27.42 -29.083,26.429 -29.083,22.917 -29.355,22.645 -66.446,22.645 -67.183,21.679 -67.183,-34.48
VCC_BAT on Bottom Layer "VCC_BAT_L02_P009" (solid, pour order 9): 61.05,12.925 62.7,12.925 62.725,12.95 62.725,13.7 63.75,13.7 63.75,12.525 63.55,12.325 61.05,12.325
VCC_BAT on Bottom Layer "VCC_BAT_L02_P003" (solid, pour order 3): 62.758,21.6 63.75,21.6 63.75,13.542 62.725,13.542

## Keep-outs
Keep-Out Layer:
  lines w0.2: -66.18,-35.471 -67.183,-34.48 -67.183,21.679 -66.446,22.645 -29.355,22.645 -29.083,22.917 -29.083,26.429 -28.067,27.42 -21.438,27.42 -10.28,27.42 -10.033,27.667 -10.033,28.817 -9.017,29.807 9.042,29.807 10.033,28.791 10.033,27.667 10.28,27.42 16.662,27.42 28.092,27.42 45.9,27.4 46.4,27 46.4,25.532 47,25.032 48.176,25.032 49.05,25.032 49.05,19.241 57.95,19.241 57.95,25.032 64.43,25.032 65,24.462 65,19 65.5,18.5 66.5,18.5 67,18 67,-29.5 66.5,-30 65.5,-30 65,-30.5 65,-32.236 65.424,-32.66 67.75,-32.66 80.75,-32.66 81,-32.91 81,-37 81,-41.5 81,-52 ; -66.167,-35.471 -59.538,-35.471 -54.762,-35.471 -40.488,-35.471 -35.712,-35.471 -9.804,-35.471 -0.559,-51.676 0.203,-52.158 37.567,-56.07 54.458,-63.538 71.496,-71.183 72.676,-70.729 73,-70 80.977,-51.99

## Other copper
Top Layer:
  pour cut-out: 73.8,-36 73.8,-47.5 81,-47.5 81,-36
Bottom Layer:
  pour cut-out: 73.8,-36 73.8,-47.5 81,-47.5 81,-36

## Silkscreen, mask and mechanical layers (free items; w line width, h text height)
Top Overlay:
  text "3.3V" at 60.75,0.15 h1.5
  text "B00T" at 60.75,-2.35 h1.5
  text "LP_TX" at 60.3,-6.85 h1.5
  text "LP_RX" at 60.3,-9.35 h1.5
  text "3.3V" at 60.75,-11.85 h1.5
  text "SW0" at 60.637,-14.263 h1.5
  text "CLK" at 60.75,-16.85 h1.5
  text "DI0" at 60.75,-19.35 h1.5
  text "RST" at 60.75,-21.85 h1.5
  text "GND" at 60.75,-24.6 h1.5

## Text inside footprints (layer, text, board x,y; h text height)
J: Mechanical 13 "PCB EDGE" at 57.4,24.75 h0.8 r180
U4: Mechanical 13 "*" at 46.933,-30.465 h1.27 r270